# Altium PCB 13cmPA_MRF21085-FR4-0.8_V4.1.PcbDoc
Units mm, origin at the board's own origin, x right, y up, seen from the top; angles counter-clockwise.
Board outline 90.03 x 60.07 mm, 2 copper layers (Top Layer, Bottom Layer); 15 components, 0 nets, 72 pads, 515 vias.
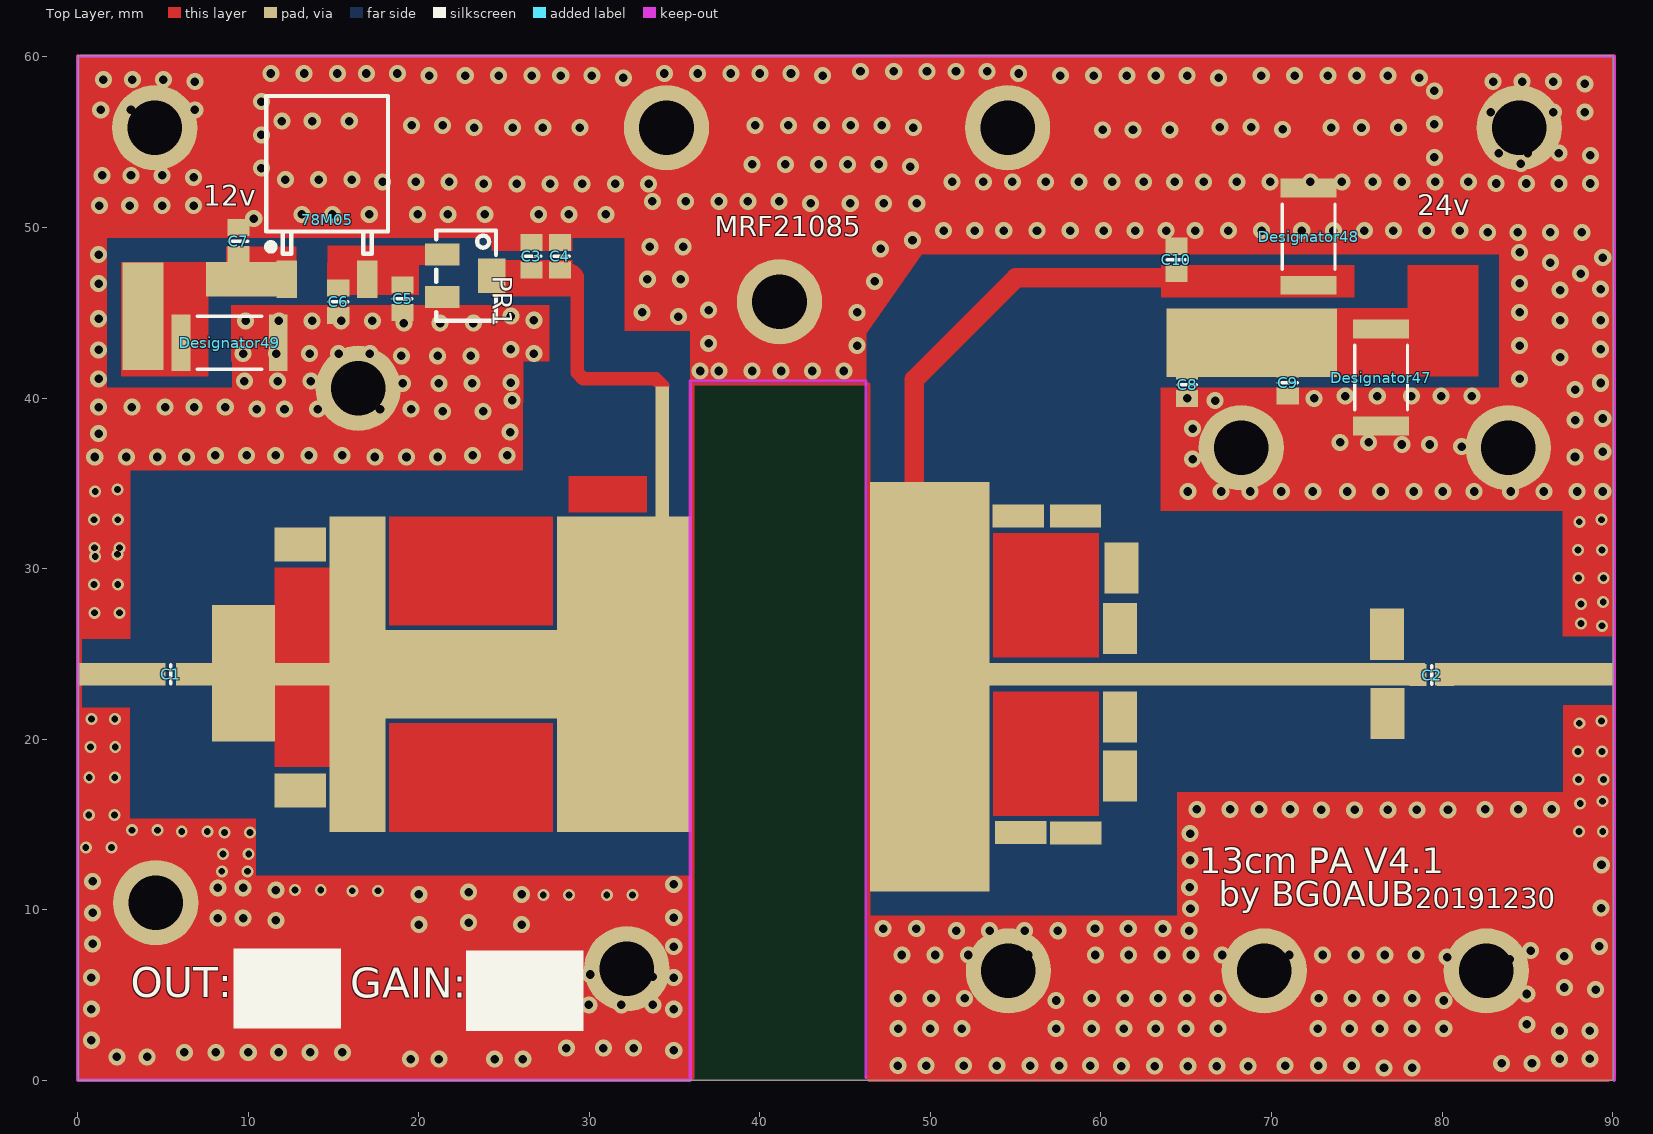
[diagram p0: Top Layer view]
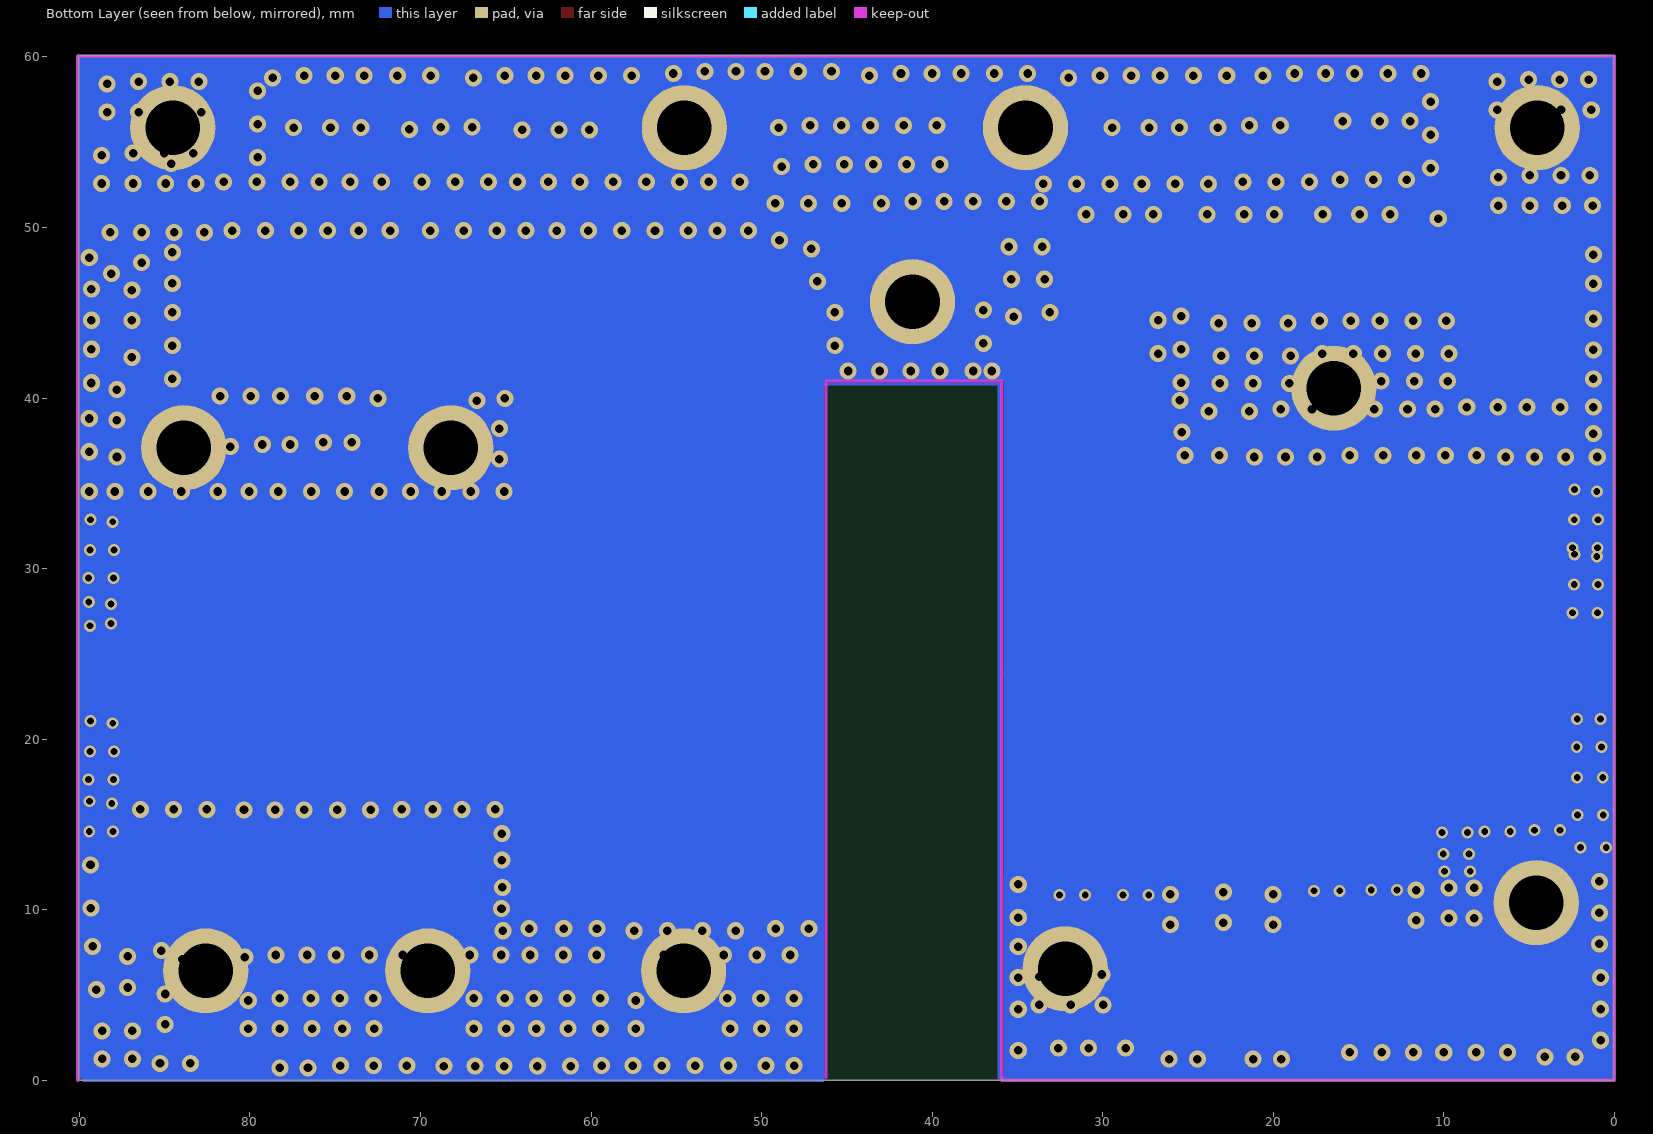
[diagram p1: Bottom Layer view, seen from below]

## Layer stack, top to bottom
Top Layer: signal copper 0.0356
Dielectric: dielectric 0.32, FR-4, Dk 4.8
Bottom Layer: signal copper 0.0356

## Board outline
0.05,60.071 0.025,60.046 0.025,0 90.05,0 90.05,60.071

## Design rules (kind name [scope] priority, off if disabled: settings)
Clearance [All] p1: gap=0.254
PolygonConnect [All] p1: connectstyle=Relief reliefconductorwidth=0.254 reliefentries=4 polygonreliefangle="90 Angle"
RoutingVias [All] p1: holewidth=0.711 width=1.27 viastyle="Through Hole" minholewidth=0.711 minwidth=1.27 maxholewidth=0.711 maxwidth=1.27
SilkscreenOverComponentPads [IsPad] p1: minsilkscreentomaskgap=0.254
SolderMaskExpansion [All] p1: expansion=0.102
Width [All] p1: maxlimit=3 minlimit=0.2 preferedwidth=1
27 further rules are at their usual default settings.

## Components (designator, comment, footprint, x,y, rotation, side; value= is the part's Value field where it differs from the comment)
78M05 "Comment" LC-TO-252-2 14.625,46.963 r270 top
C1 "Comment" 6-0805_L 5.45,23.803 r180 top
C2 "Comment" 6-0805_L 79.4,23.75 r180 top
C3 "Comment" 6-0805_L 26.6,48.314 r270 top
C4 "Comment" 6-0805_L 28.275,48.314 r270 top
C5 "Comment" 6-0805_L 19.05,45.814 r270 top
C6 "Comment" 6-0805_L 15.275,45.647 r270 top
C7 "Comment" 6-0805_L 9.425,49.203 r270 top
C8 "Comment" 6-0805_L 65.05,40.778 r270 top
C9 "Comment" 6-0805_L 70.95,40.905 r270 top
C10 "Comment" 6-0805_L 64.425,48.098 r270 top
Designator47 "C2" RESC6332 76.425,41.202 r270 top
Designator48 "C2" RESC6332 72.175,49.457 r270 top
Designator49 "C2" RESC6332 8.908,43.236 r0 top
PR1 "RES-ADJ-SMD_3224W" RES-ADJ-SMD_3224W 22.825,47.171 r270 top

## Footprints (in the part's own frame and the unit in brackets; to place one, negate y for a bottom-side part, rotate by r counter-clockwise, add the part's x,y. Pads: shape width x height; smd on the part's side, far side on the other; paste and mask are expansions set on the pad)
6-0805_L [mm]
  rect 1x1.3 smd: 1(-0.8,0) 2(0.8,0)
  silkscreen extent 0,-0.55 0,0.55, body extent -1.07,-0.7 1.07,0.7, height 0.7
LC-TO-252-2 [mm]
  rect 2.2x1.2 smd: 1(0,-2.361) 3(-0.004,2.361)
  rect 6.5x6 on Top Solder: 2(-7,0)
  silkscreen extent -10.75,-3.57 -1.5,3.57, body extent -9.74,-3.27 0.2,3.27, height 2.44
RES-ADJ-SMD_3224W [mm]
  rect 1.3x2 smd: 1(-1.25,-1.45) 3(1.25,-1.45)
  rect 2x1.6 smd: 2(0,1.45)
  silkscreen extent -2.65,-1.8 2.65,1.7
RESC6332 [mm]
  rect 1.1x3.3 smd: 1(-2.85,0) 2(2.85,0)
  silkscreen extent -1.9,-1.55 1.9,1.55, body extent -3.22,-1.68 3.22,1.68, height 0.9

## Free pads (board coordinates)
  rect 3x1.336 smd: 0(1.5,23.803) 1(88.575,23.803) 10(58.525,14.5) 12(55.3,14.525) 13(58.5,33.074) 14(55.15,33.074)
  rect 7.9x18.5 smd: 0(32.05,23.803)
  rect 12x5.2 smd: 1(22.975,23.8)
  rect 3.3x18.5 smd: 2(16.4,23.803)
  rect 3.7x8 smd: 3(9.725,23.85)
  rect 3x2 smd: 4(13.05,31.4) 7(13.05,16.975)
  rect 15x1.336 smd: 4(13.925,23.8)
  rect 7x24 smd: 4(49.95,23.075)
  rect 4.06x1.336 smd: 5(2.475,23.803)
  rect 27x1.336 smd: 6(65.5,23.803)
  rect 10x1.336 smd: 7(84.6,23.803)
  rect 0.8x13.7 smd: 8(34.275,33.836)
  rect 2x3 smd: 8(61.2,30.025) 8(76.775,26.15) 8(76.8,21.5) 9(61.125,26.475) 10(61.125,21.3) 11(61.125,17.834)
  round 5 hole 3.2: 21(16.45,40.567) 22(4.575,10.414) 23(32.2,6.531) 27(54.575,6.404) 27(69.575,6.404) 27(82.6,6.404) 31(41.15,45.647) 32(34.525,55.85) 33(4.525,55.85) 34(54.525,55.85) 35(84.525,55.85) 36(68.225,37.084) 37(83.875,37.084)
  rect 10x4 smd: 39(68.85,43.234)
  rect 2.4x6.3 smd: 40(3.825,44.804)
  rect 5x2 smd: 46(10.025,46.963)

## Via types
v1: diameter 1, hole 0.5, Top Layer to Bottom Layer, 455 vias
v2: diameter 0.7, hole 0.4, Top Layer to Bottom Layer, 60 vias

## Nets (pads, with @x,y where several pads share a name; then routed paths per layer and width w, separated by ;. In a path a pad name is that pad's centre, name@x,y a point inside that pad or via, vN(x,y) a via of type N, cw(c..) or ccw(c..) an arc to the next point about the centre after c; other vN are vias at no path point)
pads on no net: 78M05.1 78M05.2 78M05.3 C1.1 C1.2 C2.1 C2.2 C3.1 C3.2 C4.1 C4.2 C5.1 C5.2 C6.1 C6.2 C7.1 C7.2 C8.1 C8.2 C9.1 C9.2 C10.1 C10.2 Designator47.1 Designator47.2 Designator48.1 Designator48.2 Designator49.1 Designator49.2 PR1.1 PR1.2 PR1.3
copper on no net: | length 88.5
  Top Layer w0.2: 1.5,23.875 2.054,23.422 ; 34.532,23.853 35.875,23.853 ; 46.225,0.175 89.925,0.175 ; 89.75,0 90.1,0.35
  Top Layer w0.63: 29.3,47.015 29.3,47.046 29.3,47.148 ; 29.656,41.121 29.825,41.121
  Top Layer w0.8: 28.977,47.471 29.3,47.148 ; 29.3,47.015 29.3,41.477 29.656,41.121 ; 29.825,41.121 33.896,41.121 34.3,40.717
  Top Layer w1.15: 49.056,28.294 49.056,41.094 55.006,47.044 64.6,47.044
  other v1: 76.597,0.726 78.248,0.726 61.2,0.826 63.15,0.826 65.1,0.826 66.8,0.826 68.625,0.826 48.097,0.853 49.748,0.853 51.95,0.853 53.9,0.853 55.85,0.853 57.55,0.853 59.375,0.853 70.8,0.853 72.75,0.853 74.7,0.853 83.497,0.989 85.275,0.989 19.522,1.234 21.173,1.234 24.447,1.234 26.098,1.234 86.897,1.243 88.675,1.243 2.297,1.37 4.075,1.37 6.25,1.624 8.1,1.624 10,1.624 11.775,1.624 13.625,1.624 15.525,1.624 34.95,1.751 28.654,1.881 30.822,1.878 32.6,1.878 0.8,2.34 86.897,2.894 88.675,2.894 48.1,3.021 50,3.021 51.85,3.021 57.375,3.021 59.45,3.021 61.35,3.021 63.2,3.021 64.975,3.021 66.875,3.021 72.725,3.021 74.575,3.021 76.35,3.021 78.25,3.021 80.1,3.021 84.975,3.275 0.8,4.165 34.95,4.16 29.975,4.418 31.875,4.418 33.725,4.418 57.375,4.672 80.1,4.672 48.1,4.799 50.05,4.799 52,4.799 59.45,4.799 61.4,4.799 63.35,4.799 65.05,4.799 66.875,4.799 72.775,4.799 74.725,4.799 76.425,4.799 78.25,4.799 84.975,5.053 89,5.307 87.175,5.434 0.8,6.015 34.95,6.01 33.725,6.069 30.05,6.196 31.875,6.196 82.15,7.085 83.975,7.085 80.3,7.212 87.175,7.259 48.325,7.339 50.275,7.339 52.225,7.339 53.925,7.339 55.75,7.339 59.675,7.339 61.625,7.339 63.575,7.339 65.275,7.339 67.1,7.339 71.05,7.339 73,7.339 74.95,7.339 76.65,7.339 78.475,7.339 85.2,7.593 34.95,7.835 89.225,7.847 0.875,7.986 51.525,8.763 53.475,8.763 55.525,8.763 57.475,8.763 65.175,8.763 47.225,8.89 49.175,8.89 59.65,8.89 61.6,8.89 63.625,8.89 20,9.117 26.025,9.117 22.925,9.244 11.625,9.371 8.225,9.498 9.7,9.498 34.95,9.535 0.875,9.811 65.25,10.061 89.325,10.087 20,10.895 26.025,10.895 22.925,11.022 11.625,11.149 8.225,11.276 9.7,11.276 65.2,11.303 34.95,11.485 0.875,11.661 89.35,12.627 65.225,12.9 65.225,14.451 72.925,15.848 74.875,15.848 76.825,15.848 78.525,15.848 80.35,15.848 65.625,15.875 67.575,15.875 69.275,15.875 71.1,15.875 82.525,15.875 84.475,15.875 86.425,15.875 65.1,34.517 67.05,34.517 68.75,34.517 70.575,34.517 72.425,34.517 74.45,34.517 76.4,34.517 78.35,34.517 80.05,34.517 81.875,34.517 84.025,34.517 85.975,34.517 87.925,34.517 89.425,34.517 65.375,36.422 1,36.54 2.85,36.54 4.675,36.54 6.375,36.54 17.429,36.54 19.279,36.54 21.104,36.54 87.797,36.54 8.075,36.63 9.9,36.63 11.6,36.63 13.55,36.63 15.5,36.63 23.15,36.63 25.175,36.63 89.425,36.848 81.15,37.147 77.65,37.274 79.275,37.274 74.025,37.401 75.7,37.401 1.225,37.915 25.35,38.005 65.375,38.2 87.8,38.708 89.425,38.798 21.4,39.216 23.775,39.216 10.5,39.343 12.125,39.343 14.075,39.343 16.025,39.343 17.725,39.343 19.55,39.343 1.225,39.47 3.175,39.47 5.125,39.47 6.825,39.47 8.65,39.47 25.477,39.855 66.7,39.851 65.05,39.978 72.5,39.978 74.325,40.105 76.2,40.105 78.2,40.105 79.95,40.105 81.75,40.105 87.8,40.486 19.05,40.863 21.175,40.863 23.125,40.863 89.298,40.863 25.4,40.904 89.298,40.908 9.775,40.99 11.725,40.99 13.675,40.99 15.375,40.99 17.2,40.99 1.225,41.121 84.548,41.117 36.5,41.583 37.6,41.583 39.55,41.583 41.25,41.583 43.075,41.583 44.925,41.583 86.922,42.382 18.979,42.472 21.104,42.472 23.054,42.472 9.704,42.599 11.654,42.599 13.604,42.599 15.304,42.599 17.129,42.599 26.75,42.608 1.225,42.821 25.4,42.854 89.298,42.858 45.7,43.071 84.548,43.067 37,43.198 19.125,44.392 21.25,44.392 23.2,44.392 9.85,44.519 11.8,44.519 13.75,44.519 15.45,44.519 17.275,44.519 26.75,44.558 86.925,44.55 89.298,44.558 1.225,44.646 35.225,44.767 25.4,44.804 84.548,45.017 33.1,45.021 45.7,45.021 37,45.148 86.925,46.328 89.298,46.383 1.225,46.709 84.548,46.717 46.725,46.836 33.4,46.963 35.35,46.963 88.125,47.298 86.35,47.933 89.425,48.233 1.225,48.409 84.548,48.542 47.075,48.741 33.55,48.868 35.5,48.868 48.95,49.249 82.675,49.711 84.45,49.711 86.35,49.711 88.2,49.711 50.775,49.811 52.6,49.811 54.3,49.811 56.25,49.811 58.2,49.811 60.15,49.811 62,49.811 63.825,49.811 65.525,49.811 67.475,49.811 69.425,49.811 71.775,49.811 73.625,49.811 75.45,49.811 77.15,49.811 79.1,49.811 81.05,49.811 10.321,50.516 13.15,50.765 14.928,50.765 17.096,50.765 19.925,50.765 21.703,50.765 23.871,50.765 27.025,50.765 28.803,50.765 30.971,50.765 1.275,51.281 3.05,51.281 4.95,51.281 6.8,51.281 42.975,51.408 45.3,51.408 47.25,51.408 49.2,51.408 33.7,51.535 35.65,51.535 37.6,51.535 39.3,51.535 41.125,51.535 23.8,52.551 25.75,52.551 27.7,52.551 29.575,52.551 31.525,52.551 33.475,52.551 83.175,52.578 84.95,52.578 86.85,52.578 88.7,52.578 17.875,52.678 19.825,52.678 21.775,52.678 51.275,52.678 53.1,52.678 54.8,52.678 56.75,52.678 58.7,52.678 60.65,52.678 62.5,52.678 64.325,52.678 66.025,52.678 67.975,52.678 69.925,52.678 72.275,52.678 74.125,52.678 75.95,52.678 77.65,52.678 79.6,52.678 81.55,52.678 12.175,52.805 14.125,52.805 16.075,52.805 6.8,52.932 1.425,53.059 3.125,53.059 4.95,53.059 10.775,53.477 48.825,53.567 39.55,53.694 41.5,53.694 43.45,53.694 45.15,53.694 46.975,53.694 84.625,53.748 79.55,54.112 88.7,54.229 83.325,54.356 85.025,54.356 86.85,54.356 10.775,55.427 60.1,55.726 61.878,55.726 64.046,55.723 70.65,55.753 23.25,55.853 25.5,55.853 27.278,55.853 29.446,55.85 49,55.853 73.5,55.853 75.278,55.853 77.446,55.85 66.975,55.88 68.8,55.88 19.575,55.98 21.4,55.98 39.725,55.98 41.675,55.98 43.625,55.98 45.325,55.98 47.15,55.98 79.55,56.062 11.975,56.234 13.753,56.234 15.921,56.231 82.85,56.769 86.525,56.769 88.375,56.769 1.35,56.896 3.125,56.896 5.025,56.896 6.875,56.896 10.775,57.377 79.55,58.012 88.375,58.42 6.875,58.547 83,58.547 84.7,58.547 86.525,58.547 1.5,58.674 3.2,58.674 5.025,58.674 32,58.774 66.9,58.774 78.675,58.774 20.6,58.901 22.725,58.901 24.675,58.901 26.625,58.901 28.325,58.901 30.15,58.901 43.675,58.901 57.625,58.901 59.575,58.901 61.525,58.901 63.225,58.901 65.05,58.901 69.4,58.901 71.35,58.901 73.3,58.901 75,58.901 76.825,58.901 11.325,59.028 13.275,59.028 15.225,59.028 16.925,59.028 18.75,59.028 34.4,59.028 36.35,59.028 38.3,59.028 40,59.028 41.825,59.028 55.175,59.028 45.9,59.155 47.85,59.155 49.8,59.155 51.5,59.155 53.325,59.155
  other v2: 27.3,10.849 28.8,10.849 31.025,10.849 32.525,10.849 16.1,11.103 17.6,11.103 12.75,11.149 14.25,11.149 8.45,12.246 9.95,12.246 8.525,13.262 10.025,13.262 0.475,13.643 1.975,13.643 8.6,14.532 10.1,14.532 6.1,14.578 7.6,14.578 88.025,14.578 89.425,14.578 3.175,14.659 4.675,14.659 0.65,15.548 2.15,15.548 88.1,16.229 89.4,16.356 88,17.626 89.475,17.626 0.675,17.753 2.175,17.753 87.975,19.277 89.375,19.277 0.75,19.531 2.2,19.531 88.05,20.928 89.35,21.055 0.8,21.182 2.175,21.182 89.375,26.643 88.15,26.77 0.975,27.405 2.45,27.405 88.15,27.913 89.45,28.04 0.95,29.056 2.35,29.056 88,29.437 89.475,29.437 1.025,30.707 2.325,30.834 87.975,31.088 89.375,31.088 0.975,31.215 2.45,31.215 88.05,32.739 0.95,32.866 2.35,32.866 89.35,32.866 1.025,34.517 2.325,34.644

## Polygon pours and split planes (outlines as drawn)
no net on Top Layer "Top Layer-No Net" (solid, pour order 22): 72.75,6.958 72.75,0.227 73.258,0.735 78.475,0.735 78.475,5.821 78.1,6.196
no net on Top Layer "Top Layer-No Net 2" (solid, pour order 24): 33.6,22.198
no net on Top Layer "Top Layer-No Net 1" (solid, pour order 26): 31.975,25.5

## Keep-outs
Keep-Out Layer:
  lines w0.2: 0,60.044 0,0 35.925,0 35.925,40.998 46.225,40.998 46.225,0.175 ; 0.173,60.044 90.1,60.044 90.1,0

## Other copper
Top Layer:
  rectangle: 46.4,0 90.1,7.493
  rectangle: 14.65,47.806 20.9,48.949
  rectangle: 9.05,39.724 26.125,43.361
  rectangle: 8.975,42.137 27.65,45.439
  rectangle: 8.7,45.947 12.825,48.898
  rectangle: -0.025,15.086 3.075,21.862
  rectangle: 0,25.881 3.1,32.149
  rectangle: 14.625,46.028 20.025,47.933
  rectangle: 7.25,49.376 8.6,52.297
  rectangle: 79.15,50.773 82.05,52.297
  rectangle: 9.275,53.477 10.775,55.091
  rectangle: 4.675,50.011 6.2,50.519
  rectangle: 6.05,50.265 7.95,51.281
  rectangle: 1.725,49.376 7.75,50.265
  rectangle: 50.475,50.773 80.325,51.916
  rectangle: 8.275,49.376 33.425,53.567
  rectangle: 83.35,38.708 90.1,50.011
  rectangle: 10.275,51.662 80.325,60.044
  rectangle: 32.05,43.915 46.2,51.916
  region: 46.475,58.292 38.517,46.926 45.175,42.264 53.133,53.63
  rectangle: 0,39.724 1.725,50.138
  rectangle: 0,0.227 10.45,15.34
  rectangle: 63.5,33.374 90.1,40.613
  rectangle: 35.9,40.998 46.25,44.423
  rectangle: 4.275,45.947 7.925,47.979
  rectangle: 24.25,45.947 29.025,48.106
  rectangle: 2.55,41.248 7.675,47.979
  rectangle: 24.275,48.614 29,50.011
  rectangle: 0,0 35.925,7.747
  rectangle: 9.625,7.112 35.925,11.992
  rectangle: 64.45,6.223 90.1,16.891
  rectangle: 46.4,7.259 65.2,9.652
  rectangle: 0,50.138 11.475,60.044
  rectangle: 79.6,50.765 90.1,60.044
  rectangle: 83.35,48.895 90.125,54.356
  rectangle: 87.1,16.891 90.1,21.989
  rectangle: 87.075,26.008 90.1,33.927
  rectangle: 63.525,45.901 74.875,47.806
  rectangle: 73.8,41.248 82.125,45.266
  rectangle: 77.975,44.767 82.15,47.806
  rectangle: 41.825,48.409 84.6,53.648
  rectangle: 0,35.741 26.1,40.613
  rectangle: 0,29.691 3.1,35.959
  rectangle: 28.775,33.275 33.375,35.434
  rectangle: 11.55,18.35 16.5,30.05
  rectangle: 18.25,26.65 27.875,33.05
  rectangle: 18.25,14.55 27.875,20.95
  rectangle: 53.675,24.775 59.875,32.075
  rectangle: 53.675,15.5 59.875,22.8
Bottom Layer:
  rectangle: 0.075,0.227 10.575,50.138
  rectangle: 79.95,0.1 90.1,50.011
  rectangle: 0,0.254 35.8,60.071
  rectangle: 35.125,40.998 46.4,59.944
  rectangle: 46.325,0.1 90.1,60.071
Multi-Layer:
  lines w0.2: 0,60.044 90.1,60.044 90.1,0.35 ; 0.15,60.021 0.15,0.15 36.075,0.15 36.075,40.823 46.4,40.823 46.4,0 89.75,0

## Silkscreen, mask and mechanical layers (free items; w line width, h text height)
Top Overlay:
  rectangle: 9.125,3.025 15.425,7.725
  rectangle: 22.775,2.875 29.65,7.6
  text "12v" at 7.35,51.281 h1.2
  text "24v" at 78.55,50.727 h1.2
  text "MRF21085" at 37.35,49.114 h2
  text "13cm PA V4.1" at 65.775,12.119 h1.5
  text "by BG0AUB" at 66.9,9.7 h2.5
  text "20191230" at 78.425,9.706 h2
  text "OUT:" at 3.1,4.272 h3
  text "GAIN:" at 15.975,4.245 h3
Top Solder:
  rectangle: 7.7,40.694 13.625,45.266
  rectangle: 10.175,49.457 18.95,58.474
  rectangle: 6.35,47.09 32.575,50.646
  rectangle: 46.225,39.216 89.825,48.187
  rectangle: 1.6,44.123 36,49.503
  rectangle: 63.45,48.614 83.55,49.33
  rectangle: 7.8,50.265 32.05,51.662
  rectangle: 61.725,39.597 83.525,42.264
  rectangle: 1.525,40.44 8.925,47.806
  rectangle: 46.25,13.562 62.1,32.485
  rectangle: 0.1,16.102 35.9,31.088
  rectangle: 46.2,29.564 54.575,43.915
  rectangle: 26.05,28.167 35.875,44.55
  rectangle: 46.325,9.652 62.2,16.891
  rectangle: 58.15,17.58 89.45,32.657
  rectangle: 87.1,11.276 90.125,21.989
  rectangle: 87.075,26.089 90,33.374
  rectangle: 87.075,21.989 90.1,26.008
  rectangle: 46.95,27.913 63.5,40.613
  rectangle: -0.025,15.24 35.4,21.844
  rectangle: 9.925,11.43 36,15.875
  rectangle: -0.175,27.559 36.15,35.959
  rectangle: 46.35,9.398 64.75,20.193
  rectangle: 0.173,58.325 90.05,60.044
  rectangle: 0.2,0 90.1,2.55
  rectangle: 0,0.25 3.075,60.044
  rectangle: 88.025,-0.075 90.1,60.044
  lines w1.5: 28.625,35.406 28.525,35.506 28.525,37.642 28.702,37.819 34.3,37.819 ; 48.75,28.802 48.75,43.152 53.45,47.852 81.975,47.852 ; 48.8,40.613 53.023,40.613 ; 49.165,35.818 51.94,35.818 51.94,33.882 ; 49.165,38.158 52.958,38.158 53.023,38.223 ; 52.877,40.613 52.95,40.54 52.95,38.296
  lines w2: 29.5,47.319 29.5,40.996 34.3,40.996 34.3,23.976
Bottom Solder:
  rectangle: 0,48.441 9.775,60.044
  rectangle: 77.625,47.552 90.1,60.044
  rectangle: 0.075,0.227 10.575,50.138
  rectangle: 79.95,0.1 90.1,50.011
  rectangle: 1.525,0.381 35.925,60.171
  rectangle: 35.925,40.998 46.3,60.171
  rectangle: 46.3,0.127 80.05,60.171
  lines w1.5: 49.165,35.818 49.165,38.158
Mechanical 1:
  lines w0.1: 0.082,0.146 0.082,50.146 ; 90.082,0.146 90.082,50.146
Mechanical 15:
  lines w0.003: 23.178,47.089 23.229,47.039